# Altium PCB Board.PcbDoc (part 2 of 2)
Units mil, origin at the board's own origin, x right, y up, seen from the top; angles counter-clockwise.
Board outline 3947.04 x 3947.04 mil, 2 copper layers (Top Layer, Bottom Layer); 271 components, 195 nets, 853 pads, 8 vias.
Unrouted connection lines stored in the file: 527.
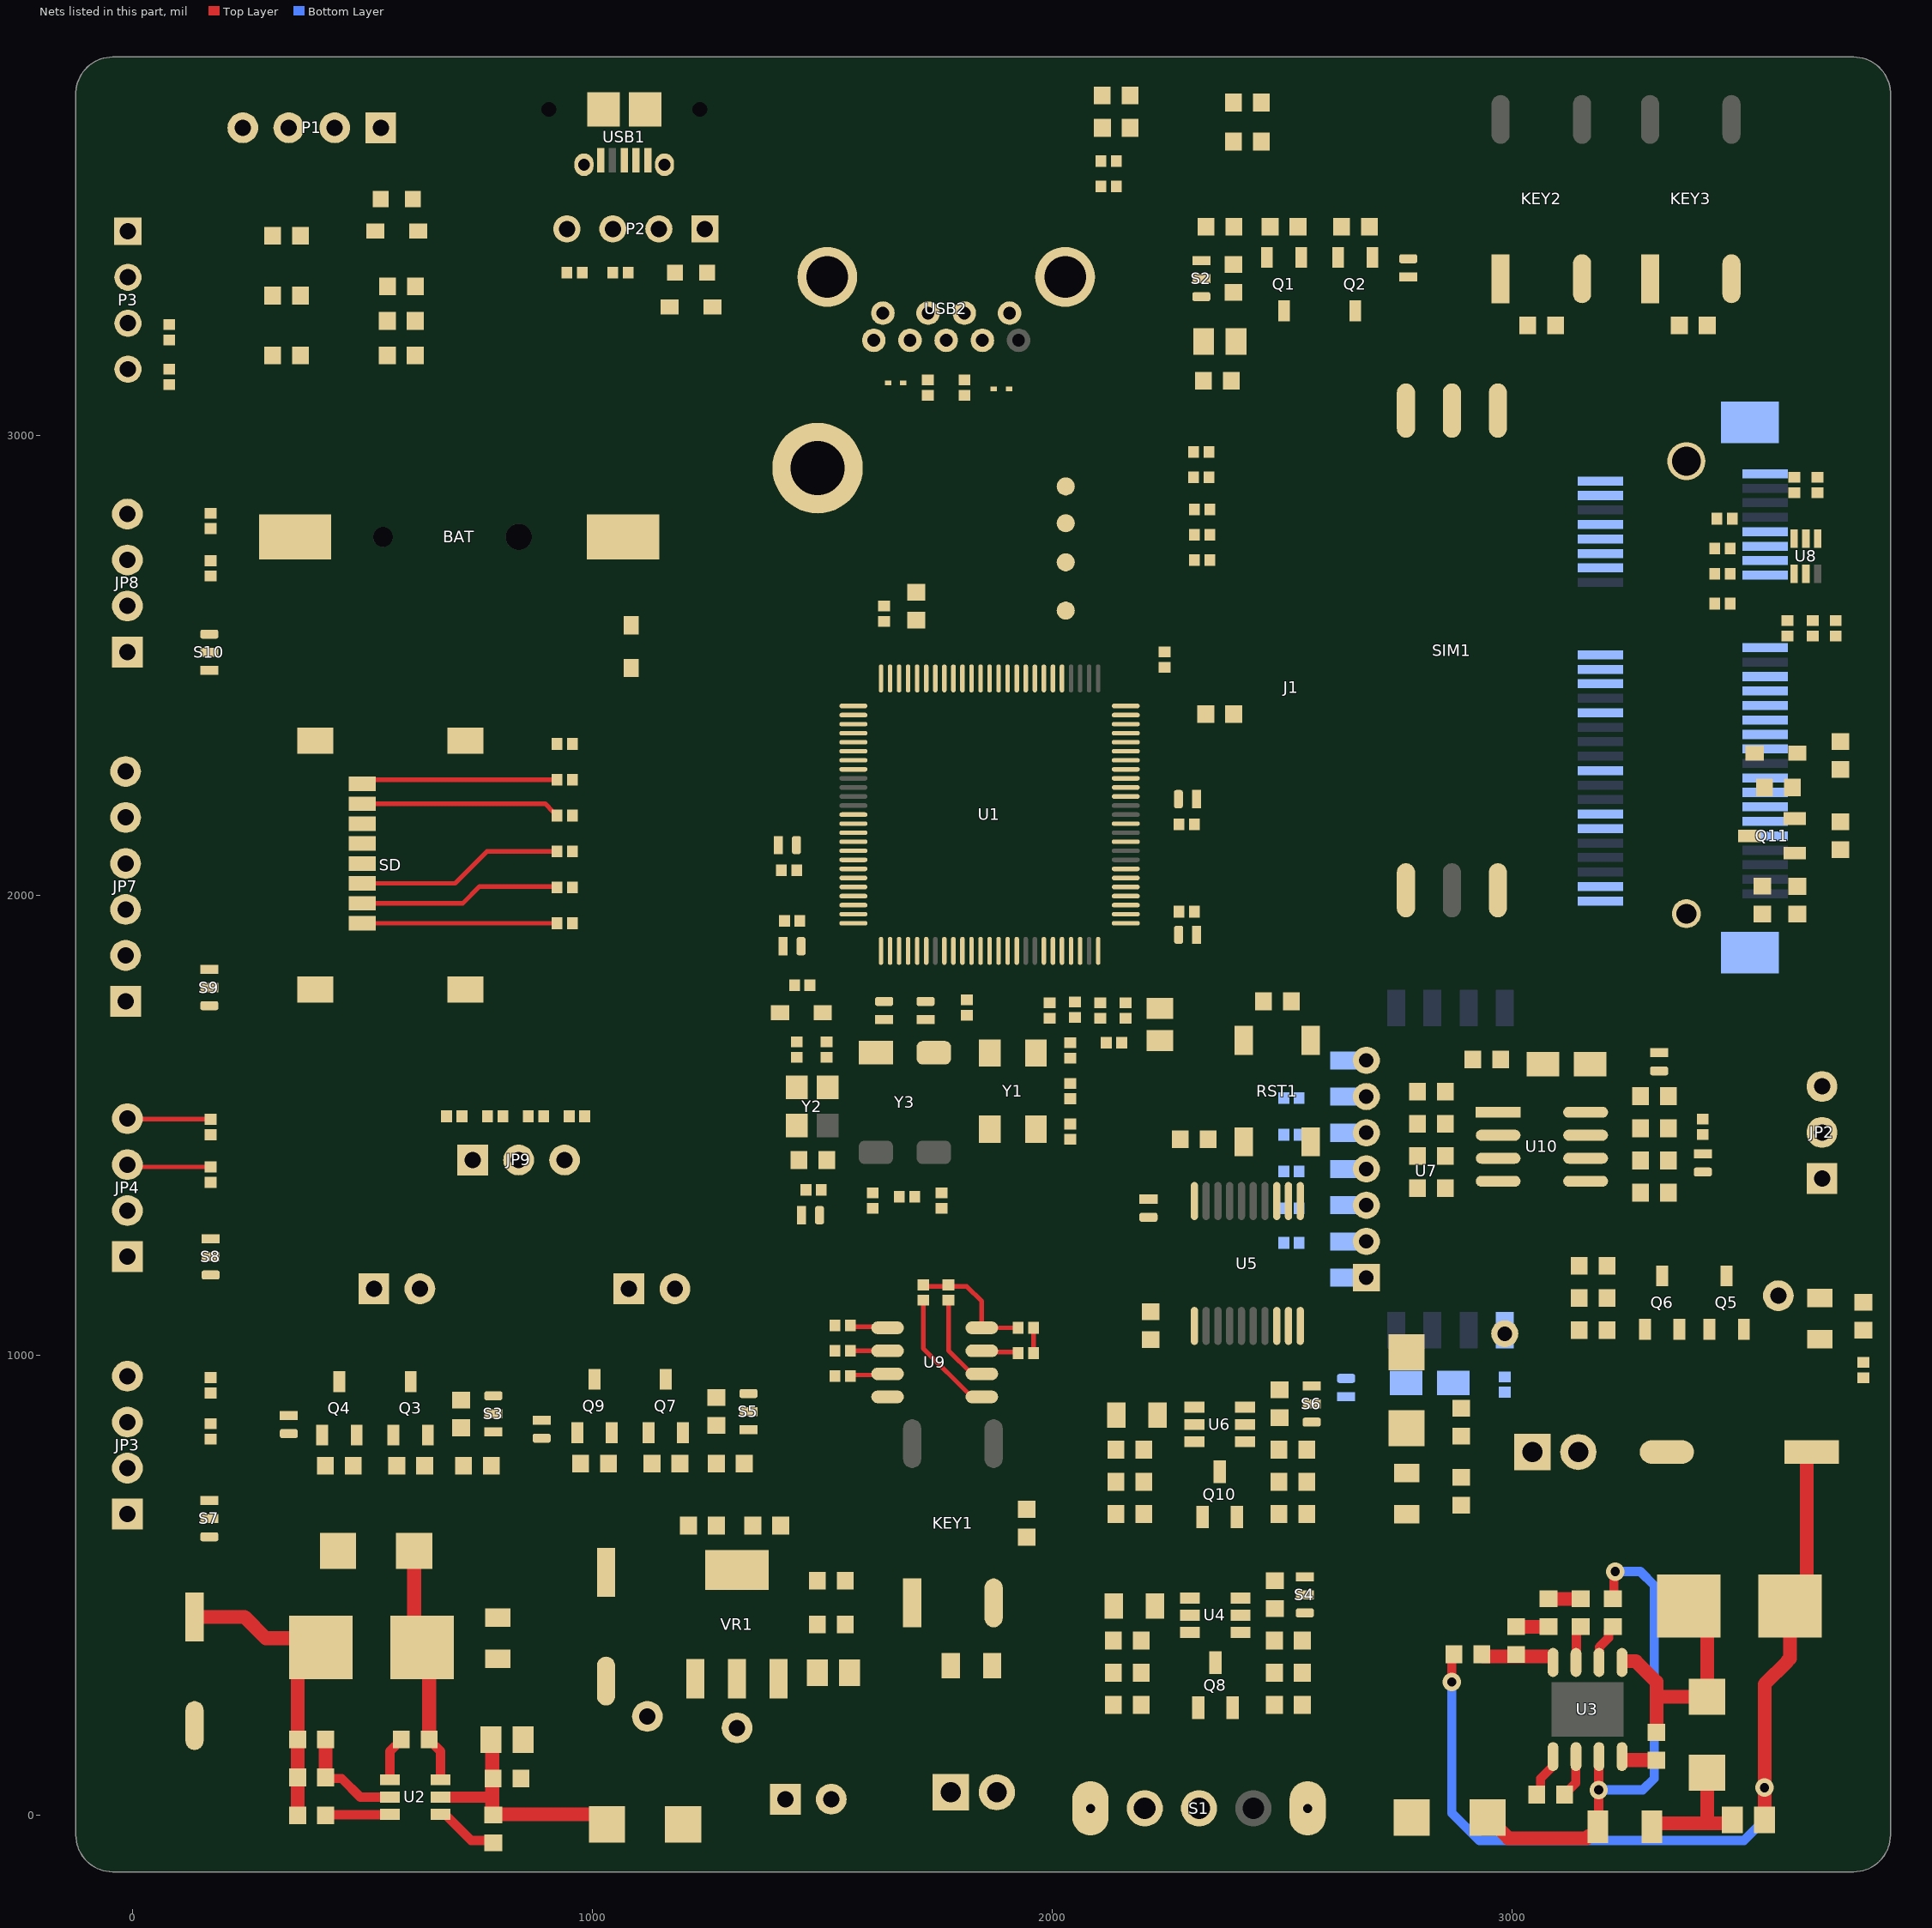
[diagram p2: the nets of this part, all layers, seen from the top]

## Part data
C1 C22 C23 C28 C30 C33 C42 C45 C47 C55 C56: library part "Cap 0603 100nF (104) 10% 50V", "贴片电容", Package=0603, SuppliersPartNumber=C14663, ComponentLink1Description=供应商, ComponentLink1URL=http://www.szlcsc.com/product/details_15331.html, Supplier=LC
C2 C5: library part "Cap 0402 22pF (220) 5% 50V", "贴片电容", Package=0402, SuppliersPartNumber=C1555, ComponentLink1Description=供应商, ComponentLink1URL=http://www.szlcsc.com/product/details_1907.html, Supplier=LC
C3 C4: library part "Cap 0603 2.2uF (225) 10% 16V", "贴片电容", Package=0603, SuppliersPartNumber=C23630, ComponentLink1Description=供应商, ComponentLink1URL=http://www.szlcsc.com/product/details_24366.html, Supplier=LC
C6 C7 C9 C12 C13 C14 C15 C16 C17 C21 C48 C53: library part "Cap 0402 100nF (104) 10% 16V", "贴片电容", Package=0402, SuppliersPartNumber=C1525, ComponentLink1Description=供应商, ComponentLink1URL=http://www.szlcsc.com/product/details_1877.html, Supplier=LC
C8 C25 C27 C54: library part "Cap 0805 10uF (106) 10% 25V", "贴片电容", Package=0805, SuppliersPartNumber=C15850, ComponentLink1Description=供应商, ComponentLink1URL=http://www.szlcsc.com/product/details_16532.html, Supplier=LC
C10: library part "Cap 0402 1nF (102) 10% 50V", "贴片电容", Package=0402, SuppliersPartNumber=C1523, ComponentLink1Description=供应商, ComponentLink1URL=http://www.szlcsc.com/product/details_1875.html, Supplier=LC
C11: library part "Cap 0603 10uF (106) 10% 10V", "贴片电容", Package=0603, SuppliersPartNumber=C19702, ComponentLink1Description=供应商, ComponentLink1URL=http://www.szlcsc.com/product/details_20411.html, Supplier=LC
C18: library part "Cap 0402 10pF (100) 5% 50V", "贴片电容", Package=0402, SuppliersPartNumber=C32949, ComponentLink1Description=供应商, ComponentLink1URL=http://www.szlcsc.com/product/details_33914.html, Supplier=LC
C19 C20: library part "Cap 0402 6pF (6R0) 0.25pF 50V", "贴片电容", Package=0402, SuppliersPartNumber=C30274, ComponentLink1Description=供应商, ComponentLink1URL=http://www.szlcsc.com/product/details_31031.html, Supplier=LC
C24 C31: library part "Cap+ CT6.3*5.4 220uF/16V", "电解电容"
C26 C29 C34 C38 C41 C43: library part "Cap 0603 1uF (105) 10% 50V", "贴片电容", Package=0603, SuppliersPartNumber=C15849, ComponentLink1Description=供应商, ComponentLink1URL=http://www.szlcsc.com/product/details_16531.html, Supplier=LC
C32: library part "Cap 0603 10nF (103) 10% 50V", "贴片电容", Package=0603, SuppliersPartNumber=C57112, ComponentLink1Description=供应商, ComponentLink1URL=http://www.szlcsc.com/product/details_58143.html, Supplier=LC
C35: library part "Cap 1206 10uF (106) 10% 50V", "贴片电容", Package=1206, SuppliersPartNumber=C13585, ComponentLink1Description=供应商, ComponentLink1URL=http://www.szlcsc.com/product/details_14236.html, Supplier=LC
C36: library part "Cap+ CT8*10.2 470uF/16V", "电解电容"
C37: library part "Cap 0805 22uF (226) 20% 25V", "贴片电容", Package=0805, SuppliersPartNumber=C45783, ComponentLink1Description=供应商, ComponentLink1URL=http://www.szlcsc.com/product/details_46786.html, Supplier=LC
C39: library part "Cap 0603 220pF (221) 10% 50V", "贴片电容", Package=0603, SuppliersPartNumber=C1603, ComponentLink1Description=供应商, ComponentLink1URL=http://www.szlcsc.com/product/details_1955.html, Supplier=LC
C40 C44: library part "Cap 0603 1nF (102) 10% 50V", "贴片电容", Package=0603, SuppliersPartNumber=C1588, ComponentLink1Description=供应商, ComponentLink1URL=http://www.szlcsc.com/product/details_1940.html, Supplier=LC
C46 C57: library part "Cap 3216 10uF (106) 10% 16V", "钽电容", Package=3216, SuppliersPartNumber=C7171, ComponentLink1Description=供应商, ComponentLink1URL=http://www.szlcsc.com/product/details_7643.html, Supplier=LC
C49 C50 C51 C52: library part "Cap 0402 33pF (330) 5% 50V", "贴片电容", Package=0402, SuppliersPartNumber=C1562, ComponentLink1Description=供应商, ComponentLink1URL=http://www.szlcsc.com/product/details_1914.html, Supplier=LC
CB1 CB2 CB3 CB4 CB5 CB6 CB7 CB8 CB9 CB11 CB12 CB14 CB15 CB16: library part "Circuit Breaker", "Circuit Breaker", LatestRevisionDate=17-Jul-2002, LatestRevisionNote="Re-released for DXP Platform.", PackageReference=SPST-2, Published=24-Mar-1999, Publisher="Altium Limited"
D1 D2: library part "DIO SOD-323 1N4148WS T4", "二极管", Package=SOD-323, SuppliersPartNumber=C2128, ComponentLink1Description=供应商, ComponentLink1URL=http://www.szlcsc.com/product/details_2485.html, Supplier=LC
D3: library part "SOD-323 LESD3Z3.3T1G", "TVS/ESD, SOD-323, 3.3V", Package=SMB/DO-214AA, SuppliersPartNumber=C78395, ComponentLink1Description=供应商, ComponentLink1URL=http://www.szlcsc.com/product/details_79530.html, Supplier=LC
D4 D9: library part "SOD-323 LESD3Z5.0T1G", "TVS/ESD, SOD-323, 5V", Package=SMB/DO-214AA, SuppliersPartNumber=C78395, ComponentLink1Description=供应商, ComponentLink1URL=http://www.szlcsc.com/product/details_79530.html, Supplier=LC
D5 D6 D7 D8 D12: library part "SMA(DO-214AC) SS24", "肖特基二极管", Package=SMA(DO-214AC), SuppliersPartNumber=C22452, ComponentLink1Description=供应商, ComponentLink1URL=http://www.szlcsc.com/product/details_23178.html, Supplier=LC
D10 D11: library part "SOD-923 ESD9L5.0ST5G", "Transient Voltage Suppressor, ESD Protection Diode with Ultra-Low Capacitance, 2-Pin SOD-923, Pb-Free, Tape and Reel, CMP-1063-00114-1", Manufacturer="On Semiconductor", C Max (pF)=0.9, ComponentLink1Description="Manufacturer URL", ComponentLink1URL=http://www.onsemi.com/, ComponentLink2Description=Datasheet, ComponentLink2URL=http://www.onsemi.cn/pub_link/Collateral/ESD9L-D.PDF, ComponentLink3Description="Package Specification", ComponentLink3URL=http://www.onsemi.com/pub_link/Collateral/514AB.PDF, DatasheetVersion="Rev. 5", Direction=Unidirectional, IR Max (uA)=1, Mounting Technology="Surface Mount", Number of Lines=1, PackageDescription="2-Pin SOD, Body 0.8 x 0.6 mm", PackageReference=SOD-923-2-514AB-01, PackageVersion="Rev. C, 03/2011", Packing="Tape and Reel", PartNumber=ESD9L5.0ST5G, RoHS=Pb-Free, V(BR) Min (V)=5.4, VRWM Max (V)=5
F1 F2: library part "FU PPTC MSMD 5V 1A", "自恢复保险丝", BOM名称=贴片, 学习资源=www.ooocke.
F3: library part "FU PPTC MSMD 5V 3A", "自恢复保险丝", BOM名称=贴片, 学习资源=www.ooocke.
F4 F5: library part "FU PPTC MSMD 5V 2A", "自恢复保险丝", BOM名称=贴片, 学习资源=www.ooocke.
F6 F7 F8: library part "FU PPTC MSMD 12V 1A", "自恢复保险丝", BOM名称=贴片, 学习资源=www.ooocke.
J1: library part PCIE-Mini, "Female Header, Pitch 0.8 mm, 2 x 26 Position, Height 9.9 mm, -40 to 85 degC, RoHS, Tape and Reel, CMP-2000-05614-1, 48338-0099", Manufacturer=Molex, Package Description="52-Pin Surface Mount Device, Body 30 x 9.3 mm, Pitch 0.8 mm", Package Reference=48338-0099, =0483380099, Brand=Molex, Contact Material=CopperAlloy, Contact Plating=Gold, Datasheet URL=http://www.molex.com/pdm_docs/sd/483380099_sd.pdf, Datasheet Version="Rev. F, 06/2009", Factory Pack Quantity=300, Housing Material=Thermoplastic, Manufacturer URL=http://www.molex.com/, Mounting Angle=Right, Mounting Style=SMD/SMT, Mounting Technology=SurfaceMount, Number of Positions=52, Number of Positions / Contacts=52, Packaging=Reel, Product Category=PCIExpress/PCIConnectors, Product Type=MiniPCI, RoHS=Details, Series=48338
JP1 JP5 JP6: library part "Header XH-2.56-2P", "Male Header, Pitch 2.5 mm, 1 x 2 Position, Height 7 mm, Tail Length 3.4 mm, -25 to 85 degC, RoHS, Bulk", Manufacturer=JST, Package Description="Male Header, Pitch 2.5 mm, 1 x 2 Position, Height 7 mm, Tail Length 3.4 mm", Package Reference=B2B-XH-A, Datasheet URL=http://www.jst-mfg.com/product/pdf/eng/eXH.pdf, Datasheet Version=05/2016, Manufacturer URL=http://www.jst.com/home2.html, Mounting Technology=ThroughHole, No of Positions=2, Pitch=2.5mm, Style/Orientation=StraightHeader/Plug, Termination=Crimp, Type=ShroudedHeader
JP2 JP9: library part "Header HDR-1X3", "3P接插件", BOM名称=3P接, 学习资源=www.ooocke.
JP3 JP4 JP8 P1: library part "Header XH-2.56-4P", "Male Header, Pitch 2.5 mm, 1 x 4 Position, Height 7 mm, Tail Length 8.4 mm, -25 to 85 degC, RoHS, Bulk", Manufacturer=JST, Package Description="Male Header, Pitch 2.5 mm, 1 x 2 Position, Height 7 mm, Tail Length 3.4 mm", Package Reference=B2B-XH-A, Datasheet URL=http://www.jst-mfg.com/product/pdf/eng/eXH.pdf, Datasheet Version=05/2016, Manufacturer URL=http://www.jst.com/home2.html, Mounting Technology=ThroughHole, No of Positions=2, Pitch=2.5mm, Style/Orientation=StraightHeader/Plug, Termination=Crimp, Type=ShroudedHeader
JP7: library part "Header XH-2.56-6P", "Male Header, Pitch 2.5 mm, 1 x 4 Position, Height 7 mm, Tail Length 8.4 mm, -25 to 85 degC, RoHS, Bulk", Manufacturer=JST, Package Description="Male Header, Pitch 2.5 mm, 1 x 2 Position, Height 7 mm, Tail Length 3.4 mm", Package Reference=B2B-XH-A, Datasheet URL=http://www.jst-mfg.com/product/pdf/eng/eXH.pdf, Datasheet Version=05/2016, Manufacturer URL=http://www.jst.com/home2.html, Mounting Technology=ThroughHole, No of Positions=2, Pitch=2.5mm, Style/Orientation=StraightHeader/Plug, Termination=Crimp, Type=ShroudedHeader
KEY1 KEY2 KEY3: library part KEY_M
KF1 KF2: library part KF2EDGK-2.54-2P, "2P, DC,KF2EDGK-2.54"
L1: library part "IUD 0630-4.7uH/2.45A 10%", "一体成型贴片电感", ComponentLink1Description=供应商, ComponentLink1URL=http://www.szlcsc.com/product/details_12684.html
L2: library part "IUD 0630-10uH/2.45A 10%", "一体成型贴片电感", ComponentLink1Description=供应商, ComponentLink1URL=http://www.szlcsc.com/product/details_12684.html
LED1: library part "LED 0603 绿灯", "发光二极管", Package=0603, SuppliersPartNumber=C72043, ComponentLink1Description=供应商, ComponentLink1URL=http://www.szlcsc.com/product/details_73152.html, Supplier=LC
LED2 LED5 LED6 LED7: library part "LED 0603 黄灯", "发光二极管", Package=0603, SuppliersPartNumber=C72038, ComponentLink1Description=供应商, ComponentLink1URL=http://www.szlcsc.com/product/details_73147.html, Supplier=LC
LED3 LED8: library part "LED 0603 蓝灯", "发光二极管", Package=0603, SuppliersPartNumber=C72041, ComponentLink1Description=供应商, ComponentLink1URL=http://www.szlcsc.com/product/details_73150.html, Supplier=LC
LED4: library part "LED 0603 红灯", "发光二极管", Package=0603, SuppliersPartNumber=C2286, ComponentLink1Description=供应商, ComponentLink1URL=http://www.szlcsc.com/product/details_2659.html, Supplier=LC
P2 P3: library part "HAR-4P UART", "Header, 4-Pin", LatestRevisionDate=17-Jul-2002, LatestRevisionNote="Re-released for DXP Platform.", Publisher="Altium Limited"
Q1 Q3 Q7: library part "PMOS SOT-23 AO3401A X13A15", "MOS(场效应管) PMOS", Package=SOT-23, SuppliersPartNumber=C15127, ComponentLink1Description=供应商, ComponentLink1URL=http://www.szlcsc.com/product/details_15801.html, Supplier=LC
Q2 Q4 Q5 Q6 Q9: library part "NMOS SOT-23 AO3400A X0YV1T", "MOS(场效应管) NMOS", Package=SOT-23, SuppliersPartNumber=C20917, ComponentLink1Description=供应商, ComponentLink1URL=http://www.szlcsc.com/product/details_21629.html, Supplier=LC
Q8 Q10 Q11: library part "NPN SOT-23 SS8050 Y1", "NPN 三极管", Package=SOT-23, SuppliersPartNumber=C2150, ComponentLink1Description=供应商, ComponentLink1URL=http://www.szlcsc.com/product/details_2507.html, Supplier=LC
R1 R37 R44 R92 R94: library part "Res 0603 10KΩ (1002) 1%", "贴片电阻", Package=0603, SuppliersPartNumber=C25804, ComponentLink1Description=供应商, ComponentLink1URL=http://www.szlcsc.com/product/details_26547.html, Supplier=LC
R2 R8: library part "Res 0402 1MΩ (1004) 1%", "贴片电阻", Package=0402, SuppliersPartNumber=C26083, ComponentLink1Description=供应商, ComponentLink1URL=http://www.szlcsc.com/product/details_26826.html, Supplier=LC
R3 R57 R58 R59 R61 R62 R63 R82 R83 R101 R102 R103 R104: library part "Res 0402 0Ω (0R0) 1%", "贴片电阻", Package=0402, SuppliersPartNumber=C17168, ComponentLink1Description=供应商, ComponentLink1URL=http://www.szlcsc.com/product/details_17853.html, Supplier=LC
R4 R7 R14 R15 R21 R23: library part "Res 0402 10Ω (10R0) 1%", "贴片电阻", Package=0402, SuppliersPartNumber=C25077, ComponentLink1Description=供应商, ComponentLink1URL=http://www.szlcsc.com/product/details_25820.html, Supplier=LC
R5 R6 R33 R65 R74 R77 R78 R79 R80 R81: library part "Res 0402 10KΩ (1002) 1%", "贴片电阻", Package=0402, SuppliersPartNumber=C25744, ComponentLink1Description=供应商, ComponentLink1URL=http://www.szlcsc.com/product/details_26487.html, Supplier=LC
R9 R10 R11 R12 R13 R16 R24 R45 R46 R47 R52 R53 R54 R56 R60 R64 R86 R95: library part "Res 0603 4.7KΩ (4701) 1%", "贴片电阻", Package=0603, SuppliersPartNumber=C23162, ComponentLink1Description=供应商, ComponentLink1URL=http://www.szlcsc.com/product/details_23889.html, Supplier=LC
R17 R18 R19 R20 R22: library part "Res 0402 47KΩ (4702) 1%", "贴片电阻", Package=0402, SuppliersPartNumber=C25792, ComponentLink1Description=供应商, ComponentLink1URL=http://www.szlcsc.com/product/details_26535.html, Supplier=LC
R25 R28 R29 R31 R32 R35 R36 R39 R41 R43 R49 R51: library part "Res 0603 100KΩ (1003) 1%", "贴片电阻", Package=0603, SuppliersPartNumber=C25803, ComponentLink1Description=供应商, ComponentLink1URL=http://www.szlcsc.com/product/details_26546.html, Supplier=LC
R26: library part "Res 0603 49.9KΩ (4992) 1%", "贴片电阻", Package=0603, SuppliersPartNumber=C23184, ComponentLink1Description=供应商, ComponentLink1URL=http://www.szlcsc.com/product/details_23911.html, Supplier=LC
R27: library part "Res 0603 9.53KΩ (95B) 1%", "贴片电阻", Package=0603, SuppliersPartNumber=C23159, ComponentLink1Description=供应商, ComponentLink1URL=http://www.szlcsc.com/product/details_23886.html, Supplier=LC
R30: library part "Res 0603 124KΩ 1%", "贴片电阻", Package=0603, SuppliersPartNumber=C22975, ComponentLink1Description=供应商, ComponentLink1URL=http://www.szlcsc.com/product/details_23702.html, Supplier=LC
R34: library part "Res 0603 40.2KΩ 1%", "贴片电阻", Package=0603, SuppliersPartNumber=C22975, ComponentLink1Description=供应商, ComponentLink1URL=http://www.szlcsc.com/product/details_23702.html, Supplier=LC
R38: library part "Res 0603 200KΩ (2003) 1%", "贴片电阻", Package=0603, SuppliersPartNumber=C25811, ComponentLink1Description=供应商, ComponentLink1URL=http://www.szlcsc.com/product/details_26554.html, Supplier=LC
R40: library part "Res 0603 68.1KΩ 1%", "贴片电阻", Package=0603, SuppliersPartNumber=C22975, ComponentLink1Description=供应商, ComponentLink1URL=http://www.szlcsc.com/product/details_23702.html, Supplier=LC
R42 R50: library part "Res 0603 51KΩ (5102) 1%", "贴片电阻", Package=0603, SuppliersPartNumber=C23196, ComponentLink1Description=供应商, ComponentLink1URL=http://www.szlcsc.com/product/details_23923.html, Supplier=LC
R48 R55: library part "Res 0603 47KΩ (4702) 1%", "贴片电阻", Package=0603, SuppliersPartNumber=C25819, ComponentLink1Description=供应商, ComponentLink1URL=http://www.szlcsc.com/product/details_26562.html, Supplier=LC
R66 R68 R69 R70 R71 R72 R73: library part "Res 0402 22Ω (22R0) 1%", "贴片电阻", Package=0402, SuppliersPartNumber=C25092, ComponentLink1Description=供应商, ComponentLink1URL=http://www.szlcsc.com/product/details_25835.html, Supplier=LC
R67: library part "Res 0402 15KΩ (1502) 1%", "贴片电阻", Package=0402, SuppliersPartNumber=C25756, ComponentLink1Description=供应商, ComponentLink1URL=http://www.szlcsc.com/product/details_26499.html, Supplier=LC
R75 R76 R90 R93 R97 R98 R99 R100: library part "Res 0402 4.7KΩ (4701) 1%", "贴片电阻", Package=0402, SuppliersPartNumber=C25900, ComponentLink1Description=供应商, ComponentLink1URL=http://www.szlcsc.com/product/details_26643.html, Supplier=LC
R84 R85: library part "Res 0603 0Ω (0R0) 1%", "贴片电阻", Package=0603, SuppliersPartNumber=C21189, ComponentLink1Description=供应商, ComponentLink1URL=http://www.szlcsc.com/product/details_21903.html, Supplier=LC
R87 R91: library part "Res 0603 10Ω (10R0) 1%", "贴片电阻", Package=0603, SuppliersPartNumber=C22859, ComponentLink1Description=供应商, ComponentLink1URL=http://www.szlcsc.com/product/details_23586.html, Supplier=LC
R88 R96: library part "Res 0603 22Ω (22R0) 1%", "贴片电阻", Package=0603, SuppliersPartNumber=C23345, ComponentLink1Description=供应商, ComponentLink1URL=http://www.szlcsc.com/product/details_24078.html, Supplier=LC
R89: library part "Res 0402 120Ω (1200) 1%", "贴片电阻", Package=0402, SuppliersPartNumber=C25079, ComponentLink1Description=供应商, ComponentLink1URL=http://www.szlcsc.com/product/details_25822.html, Supplier=LC
RST1: library part KEY_TWS
S1: library part "SW SSW-1P_2", "1路波动开关", BOM名称=²¨¶, 学习资源=www.ooocke.
S2 S3 S4 S5 S6 S7 S8 S9 S10: library part "SW SPOT_SW-1P", "1路开关", BOM名称=²¨¶, 学习资源=www.ooocke.
SD: library part MicroSD_Card, "MicroSD Card Connector, Hinge Type, -40 to 85 degC, 8-Pin SMD, RoHS, Tape and Reel, CMP-2000-05245-1", Current Rating=500mA, Manufacturer=Molex, Voltage Rating=100VDC, =0472192001, Brand=Molex, Card Type=microSD, Contact Material=CopperAlloy, Datasheet URL=http://www.molex.com/pdm_docs/sd/472192001_sd.pdf, Datasheet Version="Rev. F, 06/2009", Factory Pack Quantity=2400, Housing Material=Thermoplastic, Insertion - Extraction Style=Hinged, Manufacturer URL=http://www.molex.com/, Mounting Style=SMD/SMT, Number of Contacts=8, Packaging=Reel, Pitch=1.09mm, Product=CardConnectors, Product Category=MemoryCardConnectors, RoHS=Details, Series=47219, Termination Style=SMD
SIM1: library part "SIM Card MUP", "MUP, 6P", Manufacturer="Wurth Elektronik", Operating Temperature=-25to85degC, Package Reference=693010020611, Rated Current=0.5A, Withstanding Voltage=500VAC, Working Voltage=50VAC, Datasheet URL=https://katalog.we-online.de/em/datasheet/693010020611.pdf, Manufacturer URL=http://www.we-online.de, Mounting Technology=SMT, Packaging=TapeandReel, Part Number=693010020611, Publisher=WurthElektronik, Taobao=https://item.taobao.com/item.htm?spm=a230r.1.14.37.7dfabe7eHV2uMn&id=550214241835&ns=1&abbucket=6#detail
TP1 TP2 TP3: library part TP-SM-C100-PIN, "Test Point, Surface Mount, Circular, Pad Diameter 1.27 mm", ComponentLink1Description="Manufacturer URL", ComponentLink1URL=http://www.keyelco.com/, ComponentLink2Description=Datasheet, ComponentLink2URL=http://www.keyelco.com/product-pdf.cfm?p=1320
TP4 TP5 TP6 TP7: library part TP-SM-C-100, "Test Point, Surface Mount, Circular, Pad Diameter 1 mm, CMP-0484-00002-2,", Manufacturer="No Vendor", PartNumber=TP-SM-C-100
U1: "ARM", Package=LQFP-100_14x14x05P, SuppliersPartNumber=C12345, ComponentLink1Description=供应商, ComponentLink1URL=http://www.szlcsc.com/product/details_12968.html, Supplier=LC
U2: library part MP2359DJ-LF-Z_[C14259], "DC-DCоƬ", Package=SOT-23-6, SuppliersPartNumber=C14259, ComponentLink1Description=供应商, ComponentLink1URL=http://www.szlcsc.com/product/details_14917.html, Supplier=LC
U3: library part MP1584EN-LF-Z_[C15051], "DC-DCоƬ", Package=SOIC-8_EP_150mil, SuppliersPartNumber=C15051, ComponentLink1Description=供应商, ComponentLink1URL=http://www.szlcsc.com/product/details_15724.html, Supplier=LC
U4 U6: "Integrated Load Switch, 3 to 20 V, -55 to 150 degC, 6-Pin SOT23, RoHS, Tape and Reel, CMP-2000-04940-1", Continuous Drain Current Id=2.3A, Current Limit=2.5A, Distribution Switch Case Style=SSOT, Drain Source Voltage Vds=20V, Load Pulsed Current=10A, Manufacturer=Fairchild, On Resistance Rds(on)=0.08ohm, On State Resistance=0.054ohm, Operating Temperature Max=150degC, Operating Temperature Min=-55degC, Operating Temperature Range=-55degCto+150degC, Package / Case=SuperSOT-6, Package Description="6-Pin Small Outline Transistor, Body 2.9 x 1.6 mm, Pitch 0.95 mm", Package Reference=SOT23-6, Package Version="Rev. 5, 05/2015", Power Dissipation Pd=0.7W, Power Load Switch Type=HighSide, Voltage Drop @ Vin 12V=0.2V, Voltage In Min=3V, Voltage Off=8V, Cont Load Current=2.3A, Datasheet URL=https://datasheet.ciiva.com/1572/276121-1572006.pdf, Datasheet Version="Rev. C, 02/1999", Input Voltage=20V, Input Voltage Max=20V, Internal Switch=Yes, Manufacturer URL=https://www.fairchildsemi.com/, No. of Outputs=1, No. of Pins=6, No. of Transistors=2, On / Enable Input Polarity=ActiveHigh, Output Current Max=10A, Package URL=https://www.fairchildsemi.com/package-drawings/MA/MA06A.pdf, Power Dissipation Ptot Max=0.7W, Protection Type=Yes, Pulse Current Idm=10A, SMD Marking=3544916, SVHC=NoSVHC(19-Dec-2012), Thermal Protection=Yes, Transistor Polarity=NandPComplement, Transistor Type=MOSFET, Uni / Bi Directional Polarity=NP, Voltage In Max=20V
U5: library part 74HC573D_[C5608], "74系列逻辑芯片", Package=SOIC-20_300mil, SuppliersPartNumber=C5608, ComponentLink1Description=供应商, ComponentLink1URL=http://www.szlcsc.com/product/details_6059.html, Supplier=LC
U7: library part MT8266WIFI, "MT8266WIFI"
U8: library part SMF05CT1G_[C15879]_i, "TVS", Package=SC-70-6(SOT-363), SuppliersPartNumber=C15879, ComponentLink1Description=供应商, ComponentLink1URL=http://www.szlcsc.com/product/details_16561.html, Supplier=LC
U9: library part EEPROM/AT24C256C-SSHL-T_[C6482], "EEPROM", Package=SOIC-8_150mil, SuppliersPartNumber=C6482, ComponentLink1Description=供应商, ComponentLink1URL=http://www.szlcsc.com/product/details_6947.html, Supplier=LC
U10: library part MAX13487, "IC TXRX RS485/422 8-SOIC", Manufacturer="Maxim Integrated", Max Junction Temp=+150°C, Max Supply Voltage=5.25V, Min Supply Voltage=4.75V, Nominal Supply Current=4.5mA, Package=S8-2, Temperature="-40°C to +85°", Temperature Range High=+85°C, Temperature Range Low=-40°C, Automotive=No, Category=IC, ComponentLink2Description=Datasheet, ComponentLink2URL=https://datasheets.maximintegrated.com/en/ds/MAX13487E-MAX13488E.pdf, Data Rate=500kbits/s, Device Class L1="Integrated Circuits (ICs)", Device Class L2="Interface ICs", Device Class L3="RS-232 / RS-422 / RS-485 Interface ICs", Digikey Description="IC TXRX RS485/422 8-SOIC", Footprint Url=https://pdfserv.maximintegrated.com/land_patterns/90-0096.PDF, Height=1.75mm, Interface=RS-485,RS-422, Lead Free=Yes, Manufacturer Part Number=MAX13487EESA+, Mouser Description="MAX13487 Series 500 kbps 5.25 V Half-Duplex SMT RS 485/422 Transceiver - SOIC-8", Number Of Receivers=1, Number Of Transmitters=1, Octopart=https://octopart.com/max13487eesa%2B-maxim+integrated-42201144, RoHS=TRUE, Simplex Duplex="Half Duplex", Standoff Height=0.1mm
USB1: library part "MicroUSB MOLX-47589-0001", "Right Angle Female Type AB Micro USB Connector, 30 V, 1.8 A, -30 to 85 degC, RoHS, Tape and Reel", Contact Resistance=30mOhm, Manufacturer="Wurth Elektronik", Operating Temperature=-40to85degC, Package Reference=629105150921, Rated Current=1.8A, Working Voltage=30VAC, Connector Type=MicroUSB2.0TypeAB, Datasheet URL=https://katalog.we-online.de/em/datasheet/629105150921.pdf, Gender=Receptacle, Manufacturer URL=http://www.we-online.de, Mounting Technology=SMT, Orientation=Horizontal, Packaging=TapeandReel, Part Number=629105150921, Publisher=WurthElektronik
USB2: library part "USB 3.0 Type A", "USB 3.0 Type A Receptacle WR-COM, Horizontal, THT", Contact Resistance=50mOhm, Manufacturer="Wurth Elektronik", Operating Temperature=-20to85degC, Package Reference=692121030100, Rated Current=0.25A, Working Voltage=30VAC, Connector Type=USB3.0TypeA, Datasheet URL=https://katalog.we-online.de/em/datasheet/692121030100.pdf, Gender=Receptacle, Manufacturer URL=http://www.we-online.de, Mounting Technology=THT, Orientation=Horizontal, Packaging=TapeandReel, Part Number=692121030100, Publisher=WurthElektronik
VR1: library part "SOT-223 AMS1117-3.3", "低压差线性稳压(LDO)", Package=SOT-223, SuppliersPartNumber=C6186, ComponentLink1Description=供应商, ComponentLink1URL=http://www.szlcsc.com/product/details_6652.html, Supplier=LC
Y1: library part "XTAL SMD-5032_4P 8MHz 10ppm 20pF", "贴片晶振; 402F40012IKR; 8MHz 10ppm 20pF -40C +85C", CLASS=IC
Y2: library part "XTAL SMD-3225 32.768KHz", "有源贴片晶振", CLASS=IC
Y3: library part XTAL-MC306, "4脚晶振", BOM名称=4脚, 学习资源=www.ooocke.

## Via types
v1: diameter 40, hole 20, Top Layer to Bottom Layer, 4 vias
v2: diameter 157.48, hole 118.11, Top Layer to Bottom Layer, 4 vias

## Nets (pads, with @x,y where several pads share a name; then routed paths per layer and width w, separated by ;. In a path a pad name is that pad's centre, name@x,y a point inside that pad or via, vN(x,y) a via of type N, cw(c..) or ccw(c..) an arc to the next point about the centre after c; other vN are vias at no path point)
+3.3V_USB: D3.2 F1.1 P1.1
+3.3V_VCC: C23.2 C24.1 C34.2 C53.1 CB6.1 CB7.1 CB12.2 D1.1 Q3.2 R24.2 R31.2 R75.1 R76.1 S3.3 TP1.1 U9.8 VR1.2 | length 279
  Top Layer w10: R75.1@1720,1153.46 1723.46,1150 1815,1150 1847.36,1117.64 U9.8@1847.36,1060 C53.1@1926.54,1060
+3.3V_VCC_D: CB14.1 F5.2 J1.2 J1.39 J1.41 J1.52 R56.2 R65.1 TP3.1
+3.3V_VCC_OUT3.3: JP6.1 S3.2 S7.1 S8.1 S9.1 S10.1
+3.3V_VDD: C12.1 C13.1 C14.1 C15.1 C16.1 C17.1 C21.1 CB1.2 CB2.1 CB3.1 CB6.2 CB7.2 F1.2 LED1.A LED2.A LED3.A R1.1 R4.1 R17.1 R18.1 R19.1 R20.1 R22.1 SD.4 U1.11 U1.19 U1.28 U1.50 U1.75 U1.100
+5V_USB: D4.2 F2.1 P2.1 P3.1 USB1.1
+5V_VCC: C22.2 C25.2 C26.2 C41.2 F2.2 F4.2 Q1.2 Q7.2 R25.2 R41.2 S2.3 S5.3 TP2.1 VR1.3
+5V_VCC_OUT5: CB15.1 JP5.1 R92.1 R94.1 R95.1 S5.2 S7.3 S8.3 S9.3 S10.3
+5V_VCC_USB: C54.2 C55.2 R80.2 R81.2 S2.2 USB2.1
+12V_VCC_CAM: R84.1 R85.1 S4.2
+12V_VCC_OUT: D12.1 S6.2
ADC_CH1: R101.2 R102.1 U1.15
ADC_CH2: R103.2 R104.1 U1.16
BOOT0: CB2.2 R5.1 U1.94
BOOT1: CB3.2 R6.1 U1.37
CAM_CNT: R81.1 U1.4 USB2.8
CAM_CRTL: R46.1 U5.19
CAM_TP: R80.1 U1.5 USB2.7
DC_IN: D5.1 D7.1 F3.2 F6.2 F7.2
EC25_DTR: R73.1 U1.60
EC25_PERST#: R60.1 U1.61
EC25_RI: R70.1 U1.57
EC25_W_DISABLE: R71.2 U1.88
EC25_WAKE#: R66.1 U1.62
GND: BAT.2 C1.1 C2.2 C3.1 C4.1 C5.2 C6.1 C7.2 C8.1 C9.1 C10.1 C11.1 C12.2 C13.2 C14.2 C15.2 C16.2 C17.2 C18.1 C19.2 C20.2 C21.2 C22.1 C23.1 C24.2 C25.1 C26.1 C27.2 C28.1 C29.1 C30.2 C31.2 C34.1 C35.2 C36.2 C37.1 C38.1 C41.1 C42.1 C43.1 C45.1 C46.2 C47.1 C48.1 C49.1 C50.1 C51.1 C52.1 C53.2 C54.1 C55.1 C56.1 C57.2 D3.1 D4.1 D6.1 D8.1 D9.1 D10.2 D11.2 J1.4 J1.9 J1.15 J1.18 J1.21 J1.26 J1.27 J1.29 J1.34 J1.35 J1.37 J1.40 J1.43 J1.50 J1.53 J1.54 J1.MH1 J1.MH2 J1.MH3 JP1.2 JP2.3 JP3.2 JP4.2 JP5.2 JP6.2 JP7.2 JP8.2 JP9.3 KEY1.2 KEY2.2 KEY3.2 KF1.2 KF2.2 LED4.K LED5.K LED6.K LED7.K P1.4 P2.2 P3.2 Q2.2 Q4.2 Q5.2 Q6.2 Q8.2 Q9.2 Q10.2 Q11.2 R5.2 R6.2 R27.2 R29.1 R34.1 R36.1 R38.2 R39.1 R40.1 R45.2 R47.2 R48.2 R49.1 R53.2 R55.2 R64.2 R74.1 R77.2 R78.2 R79.2 R86.2 R102.2 R104.2 RST1.1 S1.0 SD.6 SD.9 SD.10 SD.11 SD.12 SIM1.4 U1.10 U1.20 U1.27 U1.74 U1.99 U2.2 U3.5 U5.10 U7.7 U8.2 U9.4 U10.5 USB1.5 USB1.Shell USB2.5 USB2.Shell VR1.1 Y1.2 Y1.4 Y2.2 | length 753.5
  Top Layer w10: R74.1@1960,1005 C53.2@1960,1060
  Top Layer w20: R27.2@420,82.24 422.24,80 455,80 495.57,39.43 U2.2@559.88,39.43 ; R38.2@3054.68,45 3062.99,53.31 3062.99,79.96 3090,106.97 U3.5@3090,127.64
  Top Layer w30: R27.2@420,82.24 C30.2@420,164.74 ; R34.1@3010,410 R40.1@3080,410 ; C35.2@3305,-25 3305,-24.74 3312.24,-17.5 3425,-17.5 ; D8.1@3425,92.32 3425,-17.5 ; C37.1@3479.96,-10 3472.46,-17.5 3425,-17.5
I2C_SCL_EM: R76.2 U1.95 U9.6 | length 202.7
  Top Layer w10: R76.2@1775,1120 1775,1010.71 1825.71,960 U9.6@1847.36,960
I2C_SCL_HT: JP4.3 R97.2 U1.92 | length 183.1
  Top Layer w10: JP4.3@-11,1415 -6,1410 R97.2@170,1410
I2C_SCL_LT: JP3.3 R90.2 U1.47
I2C_SCL_SH: JP8.3 R99.2 U1.81
I2C_SDA_EM: R75.2 U1.96 U9.5 | length 275.4
  Top Layer w10: R75.2@1720,1120 1720,1015.71 1825.71,910 U9.5@1847.36,910
I2C_SDA_HT: JP4.4 R98.2 U1.93 | length 181.6
  Top Layer w10: JP4.4@-11,1515 -10.23,1514.23 169.23,1514.23 R98.2@170,1513.46
I2C_SDA_LT: JP3.4 R93.2 U1.48
I2C_SDA_SH: JP8.4 R100.2 U1.82
KEY1: R12.1 U1.23
KEY2: R13.1 U1.97
KEY3: R16.1 U1.98
LED1: R9.1 U1.1
LED2: R10.1 U1.2
LED3: R11.1 U1.3
LED_WWAN#: J1.42 LED8.K
LOG_RXD: R15.2 U1.69
LOG_TXD: R14.2 U1.68
NetBAT_1: BAT.1 D2.1
NetC1_2: C1.2 R1.2 RST1.2 U1.14
NetC2_1: C2.1 R2.2 U1.12 Y1.1
NetC3_2: C3.2 U1.49
NetC4_2: C4.2 U1.73
NetC5_1: C5.1 R2.1 U1.13 Y1.3
NetC6_2: C6.2 R3.1 U1.21
NetC7_1: C7.1 D1.2 D2.2 U1.6
NetC10_2: C10.2 C11.2 CB1.1 Y2.4
NetC19_1: C19.1 CB4.1 R8.1 Y3.1
NetC20_1: C20.1 CB5.1 R8.2 Y3.4
NetC27_1: C27.1 C28.2 D5.2 R28.2 U2.5 | length 531.9
  Top Layer w25: U2.5@670.12,39.43 781.89,39.43
  Top Layer w30: C27.1@779.92,164.74 782.46,162.2 782.46,80 782.46,40 ; 781.89,39.43 782.46,40 ; D5.2@1032.32,-20 1010.31,2.01 788.31,2.01 785,5.32 782.46,7.85 782.46,40
NetC29_2: C29.2 Q1.3 S2.1
NetC30_1: C30.1 C31.1 F4.1 L1.1 R26.1 R27.1 | length 688.7
  Top Layer w30: C31.1@135,431.22 243.78,431.22 290,385 390,385 L1.1@410,365 359.37,314.37 C30.1@359.37,164.74 R26.1@359.37,-0.26
NetC32_1: C32.1 U2.1 | length 98.4
  Top Layer w20: U2.1@559.88,76.83 559.88,139.21 584.68,164.02 C32.1@584.68,165
NetC32_2: C32.2 D6.2 L1.2 U2.6 | length 522
  Top Layer w20: C32.2@645.32,165 645.32,164.02 670.12,139.21 U2.6@670.12,76.83
  Top Layer w30: D6.2@612.68,575 612.68,382.56 L1.2@630.24,365 645.32,349.92 C32.2@645.32,165
NetC33_1: C33.1 U3.8 | length 60.1
  Top Layer w30: 3255,120 3314.69,120 C33.1@3315,119.68
NetC33_2: C33.2 D8.2 L2.1 U3.1 | length 513.3
  Top Layer w30: 3255,335 3270,335 3315,290 3315,255 ; C33.2@3315,180.32 3315,255 ; L2.1@3385,455 3425,415 D8.2@3425,257.68 3317.68,257.68 3315,255
NetC35_1: C35.1 D7.2 R32.1 R35.1 U3.7 | length 1140.2
  Top Layer w20: C35.1@3187.68,-25 3189.31,-23.37 v1(3189.31,55) 3189.31,126.94 U3.7@3190,127.64 ; R32.1@3220,470.63 3222.5,473.13 3222.5,527.5 v1(3225,530)
  Top Layer w30: D7.2@2947.68,-5 2992.68,-50 3162.68,-50 3167.24,-45.43 3180.43,-45.43 3187.68,-38.19 C35.1@3187.68,-25
  Bottom Layer w20: v1(3189.31,55) 3285,55 3310,80 3310,500 3280,530 v1(3225,530)
NetC36_1: C36.1 C37.2 F5.1 L2.2 R30.2 R33.2 | length 1982.7
  Top Layer w20: v1(2870,290) 2870,345.63 R30.2@2874.37,350
  Top Layer w30: C37.2@3550.04,-10 3550.04,285.04 3600,335 3600,335.87 3605.24,341.1 L2.2@3605.24,455 3641.89,491.65 3641.89,779.41 C36.1@3652.48,790
  Bottom Layer w20: v1(2870,290) 2870,5 2930,-55 3505,-55 3550,-10 v1(3550,60)
NetC38_2: C38.2 Q3.3 S3.1
NetC39_1: C39.1 R40.2 | length 70
  Top Layer w30: R40.2@3080,470.63 C39.1@3150,470.63
NetC39_2: C39.2 U3.3 | length 82.4
  Top Layer w20: U3.3@3140,332.36 3140.69,333.06 3140.69,365.69 3140.71,401.69 3149.02,410 C39.2@3150,410
NetC40_1: C40.1 C42.2 R44.2 S4.1 U4.2 U4.3
NetC40_2: C40.2 R43.1 U4.6
NetC43_2: C43.2 Q7.3 S5.1
NetC44_1: C44.1 C45.2 R52.2 S6.1 U6.2 U6.3
NetC44_2: C44.2 R51.1 U6.6
NetC46_1: C46.1 CB14.2 U7.1
NetC49_2: C49.2 R67.1 R72.2 SIM1.6 U8.1
NetC50_2: C50.2 R69.2 SIM1.3 U8.3
NetC51_2: C51.2 R68.2 SIM1.2 U8.4
NetC56_2: C56.2 C57.1 CB15.2 U10.8
NetCB8_2: CB8.2 Q2.1 R29.2
NetCB9_2: CB9.2 Q4.1 R36.2
NetCB11_2: CB11.2 Q9.1 R49.2
NetCB12_1: CB12.1 U5.20
NetCB16_1: CB16.1 R89.1
NetCB16_2: CB16.2 JP2.1 R91.2 R95.2
NetD10_1: D10.1 R83.2 USB2.3
NetD11_1: D11.1 R82.2 USB2.2
NetD12_2: D12.2 F8.2
NetF3_1: F3.1 S1.3
NetF6_1: F6.1 R42.2 R43.2 S4.3 U4.4
NetF7_1: F7.1 R50.2 R51.2 S6.3 U6.4
NetF8_1: F8.1 KF2.1
NetJ1_1: J1.1 R65.2 R66.2
NetJ1_17: J1.17 R70.2
NetJ1_20: J1.20 R71.1
NetJ1_31: J1.31 R73.2
NetJP1_1: JP1.1 KF1.1 S1.2
NetJP2_2: JP2.2 R86.1 R87.2 R89.2
NetJP3_1: JP3.1 R90.1 R93.1 S7.2
NetJP4_1: JP4.1 R97.1 R98.1 S8.2
NetJP7_1: JP7.1 S9.2
NetJP8_1: JP8.1 R99.1 R100.1 S10.2
NetJP9_1: JP9.1 R101.1
NetJP9_2: JP9.2 R103.1
NetKEY1_1: KEY1.1 R12.2
NetKEY2_1: KEY2.1 R13.2
NetKEY3_1: KEY3.1 R16.2
NetLED1_K: LED1.K R9.2
NetLED2_K: LED2.K R10.2
NetLED3_K: LED3.K R11.2
NetLED4_A: LED4.A R24.1
NetLED5_A: LED5.A R33.1
NetLED6_A: LED6.A R44.1
NetLED7_A: LED7.A R52.1
NetLED8_A: LED8.A R56.1
NetP2_3: P2.3 R14.1 USB1.2
NetP2_4: P2.4 R15.1 USB1.3
NetP3_3: P3.3 R21.1
NetP3_4: P3.4 R23.1
NetQ1_1: Q1.1 Q2.3 R25.1
NetQ3_1: Q3.1 Q4.3 R31.1
NetQ5_1: Q5.1 Q6.3 R35.2
NetQ5_3: Q5.3 R32.2 U3.2 | length 90.6
  Top Layer w20: U3.2@3190,332.36 3190.69,333.06 3190.69,365.69 3210.71,385.71 3210.71,401.69 3219.02,410 R32.2@3220,410
NetQ6_1: Q6.1 R37.2 R39.2
NetQ7_1: Q7.1 Q9.3 R41.1
NetQ8_1: Q8.1 R46.2 R48.1
NetQ8_3: Q8.3 R42.1 U4.5
NetQ10_1: Q10.1 R54.2 R55.1
NetQ10_3: Q10.3 R50.1 U6.5
NetQ11_1: Q11.1 R60.2 R64.1
NetR7_1: R7.1 Y2.3
NetR26_2: R26.2 U2.3 | length 135.2
  Top Layer w20: R26.2@425.63,-0.26 426.77,0.88 558.74,0.88 U2.3@559.88,2.02
NetR28_1: R28.1 U2.4 | length 140.7
  Top Layer w20: U2.4@670.12,2.02 679.96,2.02 736.98,-55 779.69,-55 R28.1@785,-60.31
NetR30_1: R30.1 R34.2 U3.4 | length 144
  Top Layer w30: R30.1@2935,350 2935,349.02 2938.31,345.71 3076.65,345.71
NetR38_1: R38.1 U3.6 | length 92.9
  Top Layer w20: R38.1@3115.31,45 3115.31,45.98 3139.31,69.98 3139.31,126.94 U3.6@3140,127.64
NetR45_1: R45.1 U4.1
NetR47_1: R47.1 U5.1
NetR53_1: R53.1 U6.1
NetR57_1: R57.1 U7.12
NetR58_2: R58.2 U7.2
NetR59_2: R59.2 U7.3
NetR61_2: R61.2 U7.4
NetR62_2: R62.2 U7.5
NetR63_2: R63.2 U7.6
NetR74_2: R74.2 U9.7 | length 81.2
  Top Layer w10: U9.7@1847.36,1010 1849.86,1007.5 1924.04,1007.5 R74.2@1926.54,1005
NetR77_1: R77.1 U9.1 | length 83
  Top Layer w10: R77.1@1561.73,1065 1564.23,1062.5 1640.14,1062.5 U9.1@1642.64,1060
NetR78_1: R78.1 U9.2 | length 80.9
  Top Layer w10: R78.1@1561.73,1010 U9.2@1642.64,1010
NetR79_1: R79.1 U9.3 | length 83
  Top Layer w10: R79.1@1561.73,955 1564.23,957.5 1640.14,957.5 U9.3@1642.64,960
NetR84_2: R84.2 USB2.4
NetR85_2: R85.2 USB2.6
NetR87_1: R87.1 U10.7
NetR88_2: R88.2 R92.2 U10.1
NetR91_1: R91.1 U10.6
NetR94_2: R94.2 U10.2 U10.3
NetR96_2: R96.2 U10.4
OSC32_IN: C18.2 CB4.2 R7.2 U1.8
OSC32_OUT: CB5.2 U1.9
OUT_CRTL: R54.1 U5.18
PRESET: C47.2 D9.2 J1.22 Q11.3
PWRER_CAM: U1.43 U5.2
PWRER_D: R37.1 U1.40
PWRER_LE: U1.41 U5.11
PWRER_OUT: U1.42 U5.3
PWRER_OUT3.3: CB9.1 U1.45
PWRER_OUT5: CB11.1 U1.46
PWRER_USB: CB8.1 U1.44
RS485_RXD: R88.1 U1.26
RS485_TXD: R96.1 U1.25
SDIO_CMD: R19.2 SD.3 U1.83 | length 452
  Top Layer w10: SD.3@500,2026.69 701.69,2026.69 771,2096 R19.2@923.27,2096
SDIO_D0: R20.2 SD.7 U1.65 | length 434.6
  Top Layer w10: SD.7@500,2199.92 897.35,2199.92 915.47,2181.8 916.46,2181.8 923.27,2174.98 R20.2@923.27,2174
SDIO_D1: R22.2 SD.8 U1.66 | length 426.9
  Top Layer w10: SD.8@500,2243.23 508.77,2252 R22.2@923.27,2252
SDIO_D2: R17.2 SD.1 U1.78 | length 423.3
  Top Layer w10: SD.1@500,1940.08 500.08,1940 R17.2@923.27,1940
SDIO_D3: R18.2 SD.2 U1.79 | length 439.3
  Top Layer w10: SD.2@500,1983.39 718.39,1983.39 755,2020 921.27,2020 R18.2@923.27,2018
SDIO_SCK: SD.5 U1.80
SPI3_CSN: JP7.3 U1.77
SPI3_MISO: JP7.5 U1.90
SPI3_MOSI: JP7.6 U1.91
SPI3_SCLK: JP7.4 U1.89
SWCLK: P1.3 U1.76
SWDIO: P1.2 U1.72
UART3_CTS: J1.25 TP7.1 U1.58
UART3_RTS: J1.23 TP6.1 U1.59
UART3_RXD: J1.13 TP5.1 U1.56
UART3_TXD: J1.11 TP4.1 U1.55
UART6_RXD: R23.2 U1.64
UART6_TXD: R21.2 U1.63
USB_N: R82.1 U1.70
USB_P: R83.1 U1.71
USIM_CLK: J1.12 R69.1
USIM_DATA: J1.10 R72.1
USIM_RST: J1.14 R68.1
USIM_VDD: C48.2 C52.2 J1.8 R67.2 SIM1.1 U8.5
VDDA: C8.2 C9.2 R3.2 R4.2 U1.22
WiFi_EN: R57.2 U1.35
WiFi_MISO: R59.1 U1.31
WiFi_MOSI: R61.1 U1.32
WiFi_nCS: R62.1 U1.29
WiFi_nRST: R63.1 U1.67
WiFi_SCLK: R58.1 U1.30
pads on no net: BAT.0 J1.3 J1.5 J1.6 J1.7 J1.16 J1.19 J1.24 J1.28 J1.30 J1.32 J1.33 J1.36 J1.38 J1.44 J1.45 J1.46 J1.47 J1.48 J1.49 J1.51 KEY1.3 KEY1.4 KEY2.3 KEY2.4 KEY3.3 KEY3.4 S1.1 SIM1.5 U1.7 U1.17 U1.18 U1.24 U1.33 U1.34 U1.36 U1.38 U1.39 U1.51 U1.52 U1.53 U1.54 U1.84 U1.85 U1.86 U1.87 U3.0 U5.4 U5.5 U5.6 U5.7 U5.8 U5.9 U5.12 U5.13 U5.14 U5.15 U5.16 U5.17 U7.8 U7.9 U7.10 U7.11 U7.13 U7.14 U7.15 U8.6 USB1.4 USB2.9 Y2.1 Y3.2 Y3.3
copper on no net:
  other v2: 0,0 3700.79,0 0,3700.79 3700.79,3700.79

## Keep-outs
Keep-Out Layer:
  lines w10: -118.11,3743.9 cw(c-43.11,3743.9) -43.11,3818.9 3743.9,3818.9 cw(c3743.9,3743.9) 3818.9,3743.9 ; -118.11,3746.89 -118.11,-43.11 ccw(c-43.11,-43.11) -43.11,-118.11 3743.9,-118.11 ccw(c3743.9,-43.11) 3818.9,-43.11 3818.9,3746.89

## Text inside footprints (layer, text, board x,y; h text height)
J1: Bottom Overlay "1" at 3566.26,2940.44 h47.24 r270
P2: Top Overlay "GND" at 1183,3541 h50 r180; Top Overlay "TX" at 964,3541.54 h50 r180; Top Overlay "RX" at 1062,3541.54 h50 r180; Top Overlay "VCC" at 1290,3541 h50 r180
P3: Top Overlay "GND" at -101,3383 h50 r270; Top Overlay "TX" at -101.54,3164 h50 r270; Top Overlay "RX" at -101.54,3262 h50 r270; Top Overlay "VCC" at -101,3490 h50 r270
S2: Top Overlay "1" at 2333.98,3277.72 h15.75 r90
S3: Top Overlay "1" at 776,937.28 h15.75 r270
S4: Top Overlay "1" at 2585,430 h15.75
S5: Top Overlay "1" at 1331,942.28 h15.75 r270
S6: Top Overlay "1" at 2574,830 h15.75 r90
S7: Top Overlay "1" at 176.11,580.63 h15.75 r90
S8: Top Overlay "1" at 179,1150 h15.75 r90
S9: Top Overlay "1" at 176.11,1735.63 h15.75 r90
S10: Top Overlay "1" at 158.11,2593.74 h15.75 r270
USB1: Mechanical 2 "PCB Edge" at 1113.03,3788.74 h16 r180
USB2: Bottom Overlay "DC" at 1669,3609 h39.37 r90; Bottom Overlay "DP" at 1743,3609 h39.37 r90; Bottom Overlay "DM" at 1825,3609 h39.37 r90; Bottom Overlay "VCC" at 1902,3628.68 h39.37 r90; Bottom Overlay "GND" at 1633,3473.96 h39.37 r90; Bottom Overlay "DC" at 1701,3454.28 h39.37 r90; Bottom Overlay "ACT" at 1778,3473.96 h39.37 r90; Bottom Overlay "IN" at 1858,3451 h39.37 r90; Bottom Overlay "NC" at 1945,3454.28 h39.37 r90